# Altium PCB MB1397.PcbDoc (part 7 of 11) (continued)
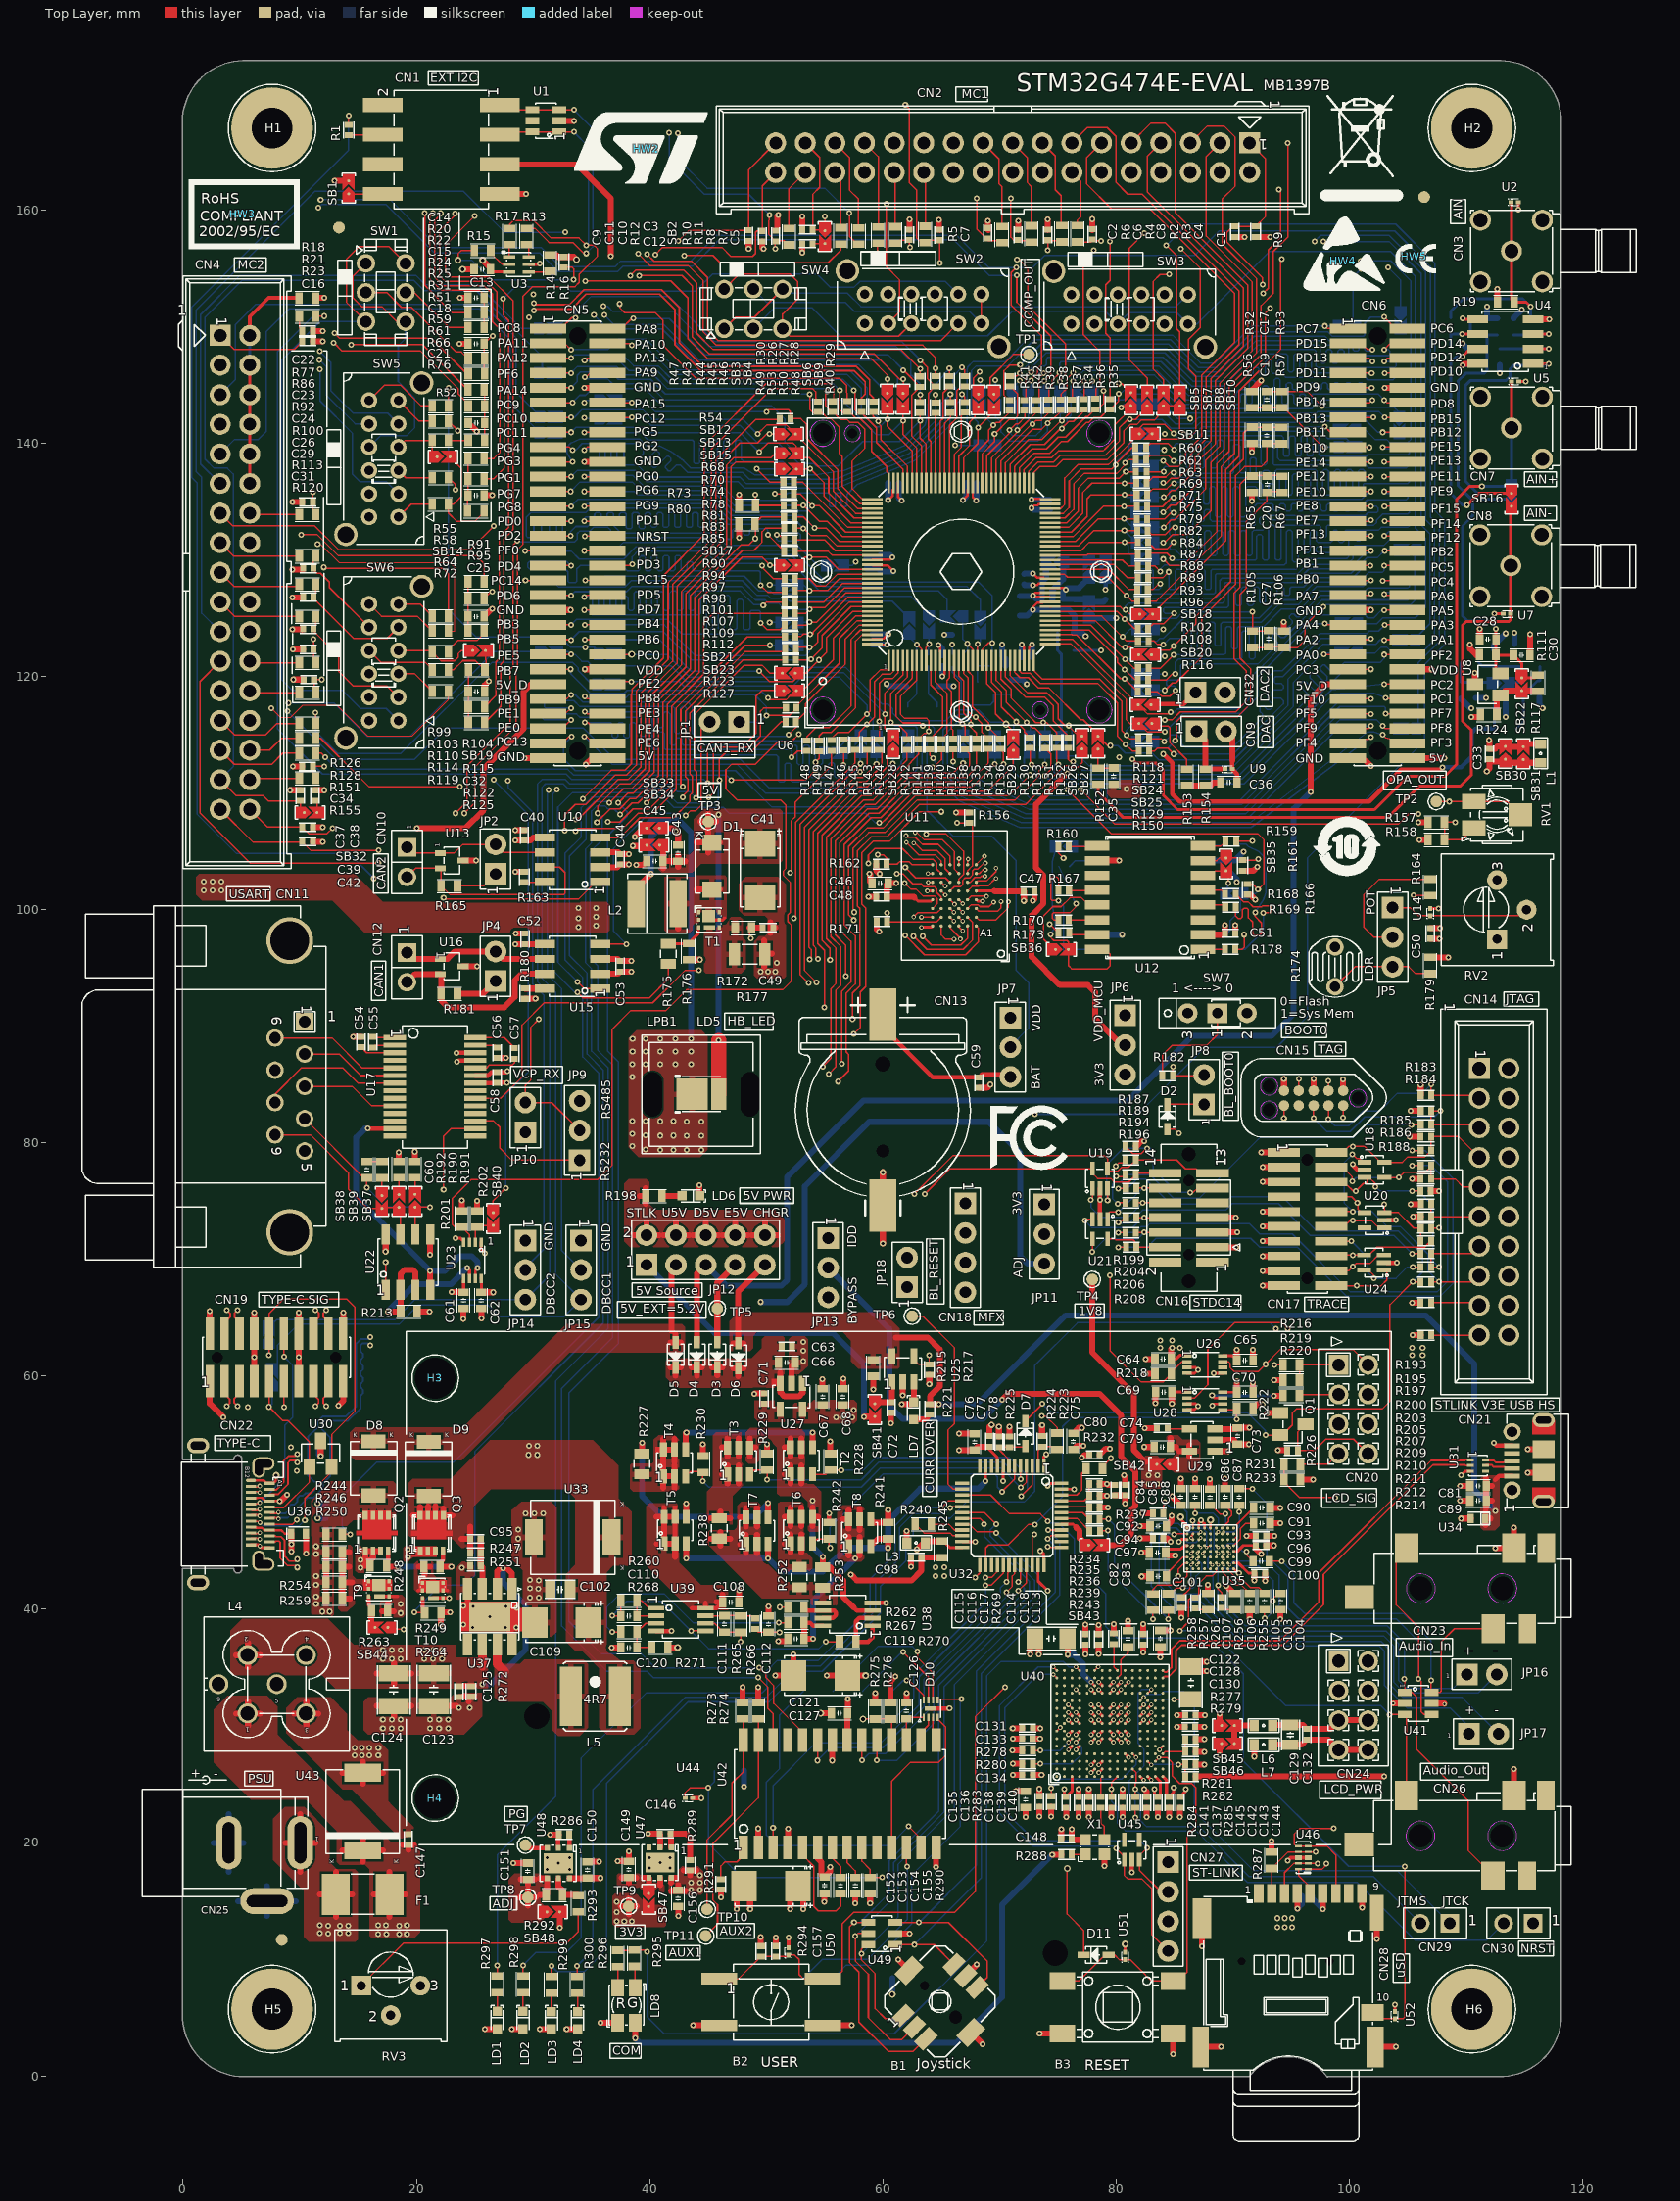
[diagram p0: Top Layer view]
## Nets (pads, with @x,y where several pads share a name; then routed paths per layer and width w, separated by ;. In a path a pad name is that pad's centre, name@x,y a point inside that pad or via, vN(x,y) a via of type N, cw(c..) or ccw(c..) an arc to the next point about the centre after c; other vN are vias at no path point) (continued)
MFX_SWCLK: CN18.2 U32.37 | length 31.3
  Top Layer w0.127: v1(74.14,45.362) 74.211,45.291 U32.37@75.307,45.292
  L4_SIG w0.102: CN18.2@67.028,72.184 68.806,70.406 68.806,65.936 72.489,62.253 72.489,55.928 74.597,53.82 74.597,45.819 v1(74.14,45.362)
MFX_SWDIO: CN18.4 U32.34 | length 26.3
  Top Layer w0.127: U32.34@72.807,43.79 72.807,46.276 72.934,46.403 v1(72.997,46.403)
  L4_SIG w0.102: CN18.4@67.028,67.104 72.108,62.024 72.108,55.7 73.53,54.277 73.53,46.937 v1(72.997,46.403)
MFX_WAKEUP: R223.2 SB6.1 | length 198
  Top Layer w0.127: v1(68.298,146.098) 67.765,145.565 67.765,144.904 68.311,144.358 SB6.1@68.311,144.191 ; v1(73.632,56.563) 73.965,56.563 74.927,55.601 74.927,55.108 R223.2@74.929,55.109
  L4_SIG w0.102: v1(68.298,146.098) 66.518,147.876 56.919,147.876 55.09,149.705 55.09,152.601 53.033,154.658 47.038,154.658 43.019,158.677 32.634,158.677 31.709,157.752 31.709,153.845 30.655,152.791 30.655,151.026 29.538,149.908 23.848,149.908 22.07,148.13 22.07,143.101 21.181,142.212 21.181,134.668 21.816,134.033 21.816,92.179 23.853,90.142 30.655,90.142 31.341,90.828 50.162,90.828 53.947,87.043 55.446,87.043 59.433,83.055 59.433,82.184 65.471,76.147 68.374,76.147 69.238,75.283 69.238,65.961 72.997,62.202 72.997,57.198 v1(73.632,56.563)
NetC12_2: C12.2 SB2.2 | length 1.1
  Top Layer w0.127: C12.2@53.977,157.087 55.016,157.086 SB2.2@55.027,157.098
NetC16_2: C16.2 CN4.1 R21.2 R23.1 | length 10.1
  Top Layer w0.127: CN4.1@3.175,149.225 4.394,148.003 9.512,148.003 C16.2@10.218,148.709 R23.1@10.218,149.603 ; R21.2@9.96,150.876 9.959,149.863 R23.1@10.218,149.603 ; R23.1@10.218,149.606 R23.1@10.218,149.603
NetC18_1: C18.1 R31.1 R51.1 R59.2 | length 4.3
  Top Layer w0.127: R31.1@25.821,144.542 25.845,144.516 R59.2@25.846,140.228
NetC21_1: C21.1 R61.1 R66.1 R76.2 | length 4.5
  Top Layer w0.127: C21.1@24.389,135.509 24.389,134.182 R76.2@24.395,134.176 ; C21.1@24.413,135.509 R66.1@24.413,136.925 R61.1@24.413,138.674
NetC25_1: C25.1 R91.1 R95.1 R104.2 | length 4.2
  Top Layer w0.127: R104.2@24.417,123.873 24.42,123.876 R91.1@24.421,128.079
NetC32_1: C32.1 R115.2 R122.1 R125.1 | length 4.5
  Top Layer w0.127: R125.1@24.447,116.027 R115.2@24.447,120.543
NetC36_1: C36.1 R153.1 R154.1 | length 3
  Top Layer w0.127: R153.1@86.034,110.642 86.035,110.642 R153.1@86.035,110.64 ; R154.1@87.647,110.642 87.648,110.642 R154.1@87.648,110.64
  Top Layer w0.508: R153.1@86.034,110.642 86.035,110.64 R154.1@87.647,110.642 87.648,110.64 88.085,110.64 88.339,110.894 C36.1@88.962,110.894
NetC38_2: C38.2 SB32.2 | length 1.1
  Top Layer w0.127: C38.2@11.294,109.323 11.483,109.131 SB32.2@11.485,108.312
NetC41_1: C41.1 C43.2 C45.2 D1.2 LD5.1 SB34.1 TP3.1 | length 35.3
  Top Layer w0.254: LD5.1@45.916,84.149 LD5.1@45.916,84.161
  Top Layer w0.508: SB34.1@40.85,105.518 40.851,105.517 41.14,105.225 C45.2@41.142,104.151 ; 41.14,103.525 C45.2@41.142,104.151 ; 41.641,104.15 C45.2@41.142,104.151 ; 41.816,104.135 C43.2@42.44,104.135 ; 42.438,103.635 C43.2@42.44,104.135 ; 42.438,104.633 C43.2@42.44,104.135 ; 43.063,104.135 C43.2@42.44,104.135 ; 44.028,105.74 D1.2@45.027,105.74 ; 44.348,107.536 TP3.1@45.028,107.536 ; 45.027,104.861 D1.2@45.027,105.74 ; 45.027,106.619 D1.2@45.027,105.74 ; 45.027,106.858 TP3.1@45.028,107.536 ; 45.027,108.214 TP3.1@45.028,107.536 ; 45.707,107.536 TP3.1@45.028,107.536 ; v1(45.916,88.798) v1@45.926,88.788 ; D1.2@46.027,105.74 D1.2@45.027,105.74
  Top Layer w1.27: LD5.1@45.926,84.161 v1@45.926,88.788
  Bottom Layer w0.508: v1(45.916,88.798) v1(45.916,108.125)
NetC43_1: C43.1 L2.2 SB33.1 | length 11.3
  Top Layer w0.508: L2.2@38.839,100.554 38.839,101.78 v1(40.104,103.045) ; SB33.1@40.858,106.982 42.009,106.982 v1(42.263,106.728) 42.438,106.553 C43.1@42.44,105.535
  Bottom Layer w0.508: v1(40.104,103.045) 40.104,106.195 40.637,106.728 v1(42.263,106.728)
NetC49_2: C49.2 R172.2 SB10.2 | length 171.4
  Top Layer w0.127: R172.2@48.567,98.445 48.567,97.605 v1(48.664,97.508) ; v1(84.3,156.944) 85.189,156.055 85.189,149.781 85.443,149.527 SB10.2@85.443,144.272
  Top Layer w0.508: R172.2@48.567,98.445 C49.2@49.451,98.445
  L4_SIG w0.102: v1(48.664,97.508) 51.28,97.508 53.617,95.171 55.598,95.171 55.979,95.552 57.249,95.552 58.748,94.054 63.116,94.054 66.396,90.775 66.396,84.501 68.45,82.446 v1(73.02,82.446)
  Bottom Layer w0.127: v1(73.02,82.446) 81.862,82.446 87.602,88.186 93.749,88.186 96.416,90.853 96.416,104.442 106.423,114.45 106.423,120.978 108.151,122.705 108.151,133.373 107.338,134.186 107.338,155.395 103.96,158.773 86.129,158.773 v1(84.3,156.944)
NetC54_2: C54.2 U17.3 | length 3.1
  Top Layer w0.127: C54.2@15.24,88.195 15.723,87.711 U17.3@18.14,87.713
NetC55_1: C55.1 U17.1 | length 1.9
  Top Layer w0.127: C55.1@16.256,89.07 16.312,89.012 U17.1@18.14,89.013
NetC55_2: C55.2 U17.2 | length 2
  Top Layer w0.127: C55.2@16.256,88.17 16.449,88.362 U17.2@18.14,88.363
NetC56_2: C56.2 U17.27 | length 2
  Top Layer w0.127: U17.27@25.04,88.363 26.723,88.362 C56.2@26.924,88.163
NetC57_1: C57.1 U17.24 | length 3.9
  Top Layer w0.127: U17.24@25.04,86.413 26.01,86.411 26.261,86.662 28.219,86.662 28.42,86.863 C57.1@28.42,87.229
NetC57_2: C57.2 U17.28 | length 3.7
  Top Layer w0.127: U17.28@25.04,89.013 27.536,89.012 C57.2@28.42,88.128
NetC59_2: C59.2 CN13.1 JP7.3 | length 14.1
  Top Layer w0.381: CN13.1@59.992,91.004 59.992,89.888 64.282,85.598 C59.2@68.227,85.598 68.481,85.852 70.708,85.852 JP7.3@70.924,85.647 JP7.3@70.924,85.725
NetC60_1: C60.1 CN11.4 SB37.1 U22.6 | length 18
  Top Layer w0.127: CN11.4@10.414,82.063 15.486,76.987 C60.1@15.748,76.989 v1(15.748,76.149) ; U22.6@19.905,72.14 19.881,72.166 SB37.1@19.88,74.477 v1(21.176,74.475) ; U22.6@19.906,72.139 U22.6@19.907,72.141
  Bottom Layer w0.127: v1(15.748,76.149) 17.419,74.475 v1(21.176,74.475)
NetC60_2: C60.2 R192.1 | length 1.3
  Top Layer w0.127: C60.2@15.748,78.389 C60.2@15.748,78.389 R192.1@17.044,78.387
NetC63_2: C63.2 C66.1 D3.2 D4.2 D5.2 D6.2 U27.1 U27.3 | length 13.9
  Top Layer w0.508: 41.77,60.736 D5.2@42.219,60.738 ; 42.217,60.028 D5.2@42.219,60.738 ; 42.217,61.445 D5.2@42.219,60.738 ; 42.667,60.736 D5.2@42.219,60.738 ; 43.591,60.744 D4.2@44.041,60.745 ; 44.041,60.035 D4.2@44.041,60.745 ; 44.041,61.453 D4.2@44.041,60.745 ; 44.488,60.744 D4.2@44.041,60.745 ; 45.352,60.754 D3.2@45.799,60.754 ; 45.799,60.046 D3.2@45.799,60.754 ; 45.799,61.46 D3.2@45.799,60.754 ; 46.248,60.754 D3.2@45.799,60.754 ; 47.145,60.668 D6.2@47.594,60.67 ; 47.595,59.962 D6.2@47.594,60.67 ; 47.595,61.377 D6.2@47.594,60.67 ; 48.042,60.668 D6.2@47.594,60.67 ; 51.204,60.287 U27.3@51.204,59.352 51.204,58.604 51.556,58.252 52.802,58.252 53.104,58.554 U27.1@53.104,59.352
NetC71_2: C71.2 U27.4
NetC72_2: C72.2 SB41.1 U25.1 | length 3.2
  Top Layer w0.508: SB41.1@59.306,57.607 59.447,57.747 C72.2@60.706,57.747 60.753,57.794 U25.1@60.753,59.506
NetC74_2: C74.2 U29.4 | length 1.9
  Top Layer w0.127: C74.2@84.404,55.527 84.473,55.458 U29.4@86.264,55.459
NetC76_2: C76.2 C77.2 L3.2 U32.9 | length 15.5
  Top Layer w0.254: C77.2@69.145,53.945 69.144,53.685 69.807,53.023 U32.9@69.807,52.596
  Top Layer w0.508: L3.2@62.017,45.715 v1(62.017,46.716) ; v1(66.52,53.652) C76.2@67.861,53.653 68.153,53.945 C77.2@69.145,53.945
  L4_SIG w0.508: v1(62.017,46.716) 62.017,51.501 64.168,53.652 v1(66.52,53.652)
NetC78_2: C78.2 D7.1 R225.1 U32.7 | length 4.3
  Top Layer w0.127: U32.7@70.807,52.292 70.805,52.837 69.944,53.698 C78.2@69.945,53.903 72.111,53.901 D7.1@72.207,53.997
NetC85_1: C85.1 U35.E6 | length 6.4
  Top Layer w0.127: v1(86.761,48.23) C85.1@86.763,48.926 ; U35.E6@88.577,44.966 88.577,44.966 v4(88.735,44.806)
  Bottom Layer w0.127: v1(86.761,48.23) 88.341,48.23 88.745,47.826 88.745,47.267 88.364,46.886 88.364,45.176 v4(88.735,44.806)
NetC86_2: C86.2 U35.A7 | length 2.5
  Top Layer w0.127: U35.A7@89.077,46.966 89.634,47.523 89.634,47.8 89.888,48.054 89.888,48.374 89.339,48.925 C86.2@89.339,48.926
NetC87_1: C87.1 U35.B7 | length 3.6
  Top Layer w0.127: U35.B7@89.077,46.466 v4(89.235,46.624) ; v1(90.551,48.336) C87.1@90.552,48.926
  Bottom Layer w0.127: v4(89.235,46.624) 90.109,46.624 90.551,47.066 v1(90.551,48.336)
NetC87_2: C87.2 CN23.6 U41.4 | length 44.5
  Top Layer w0.127: C87.2@90.552,50.326 v1(91.676,50.325) ; CN23.6@104.91,45.233 104.013,44.336 104.013,40.361 105.918,38.456 v1(105.918,34.036) 106.147,33.807 106.147,31.217 106.388,30.975 U41.4@107.04,30.975
  Bottom Layer w0.127: v1(91.676,50.325) 92.936,49.065 92.936,44.574 94.714,42.796 94.714,40.095 95.645,39.164 104.022,39.164 105.918,37.269 v1(105.918,34.036)
NetC88_2: C88.2 U35.B6 | length 3.7
  Top Layer w0.127: C88.2@88.04,48.901 88.153,48.9 88.897,48.156 89.355,48.156 v1(89.38,48.181) ; U35.B6@88.577,46.466 88.577,46.464 v4(88.735,46.624)
  Bottom Layer w0.127: v4(88.735,46.624) 89.38,47.269 v1(89.38,48.181)
NetC90_2: C90.2 U35.C9 | length 3.5
  Top Layer w0.127: U35.C9@90.077,45.966 90.362,46.25 90.362,47.084 90.352,47.093 90.352,47.266 C90.2@91.787,48.701
NetC91_2: C91.2 U35.D9 | length 3
  Top Layer w0.127: U35.D9@90.077,45.466 90.65,46.038 90.65,46.911 91.11,47.371 C91.2@91.787,47.373
NetC95_1: C95.1 R247.1 R251.2 U37.3 | length 4.4
  Top Layer w0.508: C95.1@25.514,46.038 R247.1@25.514,44.815 R251.2@25.514,43.728 25.654,43.588 U37.3@25.654,41.745
NetC99_1: C99.1 U35.D7 | length 3.7
  Top Layer w0.127: U35.D7@89.077,45.466 v4(89.235,45.306) ; v1(91.183,44.955) 91.183,44.661 C99.1@91.727,44.117
  Bottom Layer w0.127: v4(89.235,45.306) 89.573,45.641 90.167,45.641 90.853,44.955 v1(91.183,44.955)
NetC99_2: C99.2 CN23.4 U41.6 | length 32.9
  Top Layer w0.127: C99.2@93.127,44.117 C99.2@93.133,44.117 v1(94.206,44.117) ; v1(106.991,33.902) 106.991,33.066 106.799,32.875 U41.6@107.04,32.875 107.757,32.875 107.874,32.992 107.874,37.211 108.994,38.331 CN23.4@112.31,38.333
  Bottom Layer w0.127: v1(94.206,44.117) 95.222,43.101 95.222,40.564 96.162,39.624 104.678,39.624 106.991,37.312 v1(106.991,33.902)
NetC101_2: C101.2 U35.F1 | length 2.6
  Top Layer w0.127: C101.2@84.297,42.822 84.468,42.994 84.468,43.209 85.315,44.055 85.725,44.465 U35.F1@86.077,44.466
NetC103_1: C103.1 U35.G8 | length 10.1
  Top Layer w0.127: U35.G8@89.577,43.966 v4(89.736,43.805) ; C103.1@92.71,39.965 92.71,39.263 v1(92.746,39.228)
  Bottom Layer w0.127: v4(89.736,43.805) 90.048,44.117 92.774,44.117 93.952,42.939 93.952,40.307 92.873,39.228 v1(92.746,39.228)
NetC103_2: C103.2 U35.H8 | length 4
  Top Layer w0.127: U35.H8@89.577,43.466 89.576,43.388 90.498,42.466 90.904,42.466 91.495,41.876 92.2,41.876 C103.2@92.71,41.365
NetC104_2: C104.2 U35.G7 | length 8.1
  Top Layer w0.127: U35.G7@89.077,43.966 v4(89.235,43.805) ; v1(93.444,40.688) 93.444,40.917 93.893,41.365 C104.2@94.107,41.365
  Bottom Layer w0.127: v4(89.235,43.805) 89.235,43.652 89.431,43.457 89.99,43.457 90.244,43.711 92.199,43.711 93.444,42.466 v1(93.444,40.688)
NetC105_2: C105.2 U35.H7 | length 3.4
  Top Layer w0.127: U35.H7@89.077,43.466 89.078,43.464 89.078,43.226 90.218,42.085 90.719,42.085 C105.2@91.448,41.356
NetC106_1: C106.1 CN26.4 U35.G6 U41.1 | length 45.3
  Top Layer w0.127: U35.G6@88.577,43.966 88.577,43.965 v4(88.735,43.805) ; v1(88.735,42.06) 88.735,41.73 89.047,41.417 C106.1@89.047,41.015 C106.1@89.047,41.006 ; v1(104.699,34.011) 104.74,33.969 U41.1@104.74,32.875 105.368,32.875 105.756,32.487 105.756,28 110.16,23.597 110.16,19.329 112.291,17.199 CN26.4@112.291,17.124
  Bottom Layer w0.127: v4(88.735,43.805) v1(88.735,42.06) 88.735,40.952 90.895,38.792 ; 90.885,38.782 91.085,38.583 103.223,38.583 104.699,37.107 v1(104.699,34.011)
NetC106_2: C106.2 R255.2 | length 1.2
  Top Layer w0.127: C106.2@89.047,40.104 89.197,39.954 R255.2@90.152,39.956
NetC107_1: C107.1 CN26.6 U35.H6 U41.3 | length 36.4
  Top Layer w0.127: v1(85.443,38.148) 86.205,38.91 86.205,40.815 86.375,40.985 86.761,40.985 86.763,40.987 87.094,41.316 87.094,42.212 87.729,42.847 88.242,42.847 88.577,43.182 U35.H6@88.577,43.466 ; v1(103.454,30.963) 103.467,30.975 U41.3@104.74,30.975 104.889,30.826 CN26.6@104.891,24.024
  Bottom Layer w0.127: v1(85.443,38.148) 88.11,38.148 94.508,31.75 102.667,31.75 v1(103.454,30.963)
NetC107_2: C107.2 R256.2 | length 1.1
  Top Layer w0.127: C107.2@86.761,40.084 86.891,39.954 R256.2@87.84,39.956
NetC110_1: C110.1 R260.1 R270.2 U39.5 | length 25.3
  Top Layer w0.127: v1(36.774,39.424) C110.1@37.519,39.425 R260.1@37.519,40.741 ; v1(43.533,38.148) 44.77,38.148 U39.5@44.78,38.14 ; v1(55.09,37.208) 56.276,37.208 R270.2@56.277,37.208
  Bottom Layer w0.127: v1(36.774,39.424) 38.033,40.683 40.998,40.683 v1(43.533,38.148) 45.057,36.624 54.506,36.624 v1(55.09,37.208)
NetC110_2: C110.2 R260.2 U39.1 U39.2 | length 4.8
  Top Layer w0.127: U39.2@40.53,39.441 40.516,39.425 C110.2@38.919,39.425 R260.2@38.919,40.741 39.29,40.741 39.941,40.089 U39.1@40.531,40.089
NetC111_1: C111.1 R262.2 R265.1 U39.6 | length 9.4
  Top Layer w0.127: U39.6@44.78,38.79 45.56,38.788 46.307,38.042 47.77,38.042 R265.1@47.802,38.012 v1(47.8,37.208) ; v1(51.153,40.178) R262.2@51.839,40.179
  L4_SIG w0.102: v1(47.8,37.208) 48.186,37.208 v1(51.153,40.178)
NetC111_2: C111.2 R265.2 R266.1 U39.7 | length 4.4
  Top Layer w0.127: U39.7@44.78,39.441 46.401,39.439 46.403,39.444 47.77,39.444 R265.2@47.802,39.412 48.854,39.411 R266.1@49.054,39.214
NetC114_2: C114.2 U40.J14 | length 3
  Top Layer w0.127: U40.J14@80.105,34.103 80.409,34.404 80.409,35.654 81.011,36.256 C114.2@81.011,36.772
NetC115_2: C115.2 U40.F13 | length 5.7
  Top Layer w0.254: v2(77.851,33.755) 78.034,33.572 ; v2(77.851,33.755) 78.034,33.572 ; U40.F13@78.155,33.453 78.034,33.572 ; U40.F13@78.155,33.453 78.034,33.572
  Top Layer w0.508: v1(75.832,36.106) C115.2@75.833,37.472
  Bottom Layer w0.508: v1(75.832,36.106) 76.385,36.106 77.163,35.329 77.163,34.442 v2@77.851,33.757
NetC120_2: C120.2 R268.1 R271.2 U39.3 | length 4.5
  Top Layer w0.127: R271.2@40.169,36.722 R271.2@40.169,36.722 C120.2@38.919,36.723 R268.1@38.919,38.051 39.658,38.79 U39.3@40.53,38.79
NetC122_2: C122.2 U40.M10 | length 4.7
  Top Layer w0.127: U40.M10@82.055,31.504 v2(82.357,31.806) ; v1(84.968,32.273) C122.2@86.402,32.275
  Bottom Layer w0.127: v2@82.359,31.806 82.827,32.273 v1(84.968,32.273)
NetC126_1: C126.1 D10.1 U42.17 | length 3.4
  Top Layer w0.127: U42.17@62.013,28.765 62.014,28.763 C126.1@62.014,30.587 ; C126.1@62.013,30.588 C126.1@62.014,30.587 ; D10.1@63.494,30.733 62.159,30.731 C126.1@62.014,30.587
NetC129_1: C129.1 C132.2 CN24.5 CN24.6 L6.2 | length 8.6
  Top Layer w0.508: L6.2@93.434,30.023 93.495,30.084 95.992,30.084 C132.2@96.342,29.736 ; C132.2@96.342,29.736 98.316,29.736 CN24.5@99.06,30.48 CN24.6@101.6,30.48
NetC129_2: C129.2 C132.1 CN24.7 CN24.8 L7.2 | length 8.7
  Top Layer w0.508: L7.2@93.434,28.385 95.89,28.385 C132.1@96.342,28.836 ; C132.1@96.342,28.836 98.164,28.836 CN24.7@99.06,27.94 CN24.8@101.6,27.94
NetC141_2: C141.2 CN30.2 U40.J1 | length 42.9
  Top Layer w0.127: C141.2@79.591,23.899 v1(79.591,24.559) 79.591,25.138 U40.J1@80.105,25.653
  Bottom Layer w0.127: v1(79.591,24.559) 79.591,23.556 80.094,23.05 80.094,21.704 80.795,21.003 86.84,21.003 91.285,16.558 100.683,16.558 105.636,11.605 111.755,11.605 CN30.2@113.215,13.066
NetC146_1: C146.1 R289.1 U47.1 | length 5
  Top Layer w0.508: U47.1@41.842,19.577 41.841,20.673 C146.1@41.773,20.742 43.16,20.742 43.472,20.429 R289.1@43.472,18.502
NetC149_2: C149.2 SB47.1 U47.4 U47.5 | length 3.2
  Top Layer w0.508: 37.589,16.993 C149.2@38.215,16.994 ; 38.214,16.495 C149.2@38.215,16.994 ; 38.837,16.993 C149.2@38.215,16.994 ; 39.538,16.975 U47.4@39.942,16.977 39.941,16.548 ; 40.891,16.33 U47.5@40.892,16.977
NetC151_2: C151.2 R292.2 SB48.1 TP8.1 U48.4 | length 7
  Top Layer w0.508: 28.872,15.283 TP8.1@29.55,15.284 ; 28.926,16.84 C151.2@29.55,16.84 ; 29.55,14.605 TP8.1@29.55,15.284 ; 29.55,15.961 TP8.1@29.55,15.284 ; 29.55,16.34 C151.2@29.55,16.84 ; 30.173,16.84 C151.2@29.55,16.84 ; 30.229,15.283 TP8.1@29.55,15.284 ; 30.579,16.939 30.597,16.921 U48.4@31.115,16.921 ; 30.617,15.499 R292.2@31.116,15.5 31.216,15.6 U48.4@31.216,16.924
NetC154_1: C154.1 U42.5 | length 9.1
  Top Layer w0.127: U42.5@53.123,19.585 53.124,19.583 53.124,18.905 54.074,17.955 54.074,14.526 54.455,14.145 55.979,14.145 56.36,14.526 C154.1@56.36,15.604
NetC154_2: C154.2 U42.7 | length 2.9
  Top Layer w0.127: U42.7@55.663,19.585 55.664,19.583 55.664,18.651 56.36,17.955 C154.2@56.36,17.005
NetC155_1: C155.1 U42.8 | length 2.9
  Top Layer w0.127: U42.8@56.933,19.585 56.934,19.583 56.934,18.27 57.63,17.574 C155.1@57.63,17.005
NetC169_2: C169.2 L8.1 SB84.2 SB85.2 SB86.1 | length 7.2
  Bottom Layer w0.508: C169.2@74.521,126.609 74.521,127.389 75.454,128.324 75.454,129.558 75.482,129.586 75.743,129.842 78.93,129.842 79.096,129.68 SB84.2@79.093,129.68
NetC171_2: C171.2 R310.2 SB116.2 | length 9.2
  Bottom Layer w0.254: C171.2@74.966,123.746 74.966,122.225 74.963,122.222 75.018,122.167 75.283,121.905 SB116.2@75.283,114.696
NetC177_2: C177.2 R313.1 X2.3 | length 2.4
  Bottom Layer w0.127: X2.3@68.134,119.499 68.133,119.499 68.102,119.53 68.102,120.896 69.073,120.896 C177.2@69.103,120.866
NetC178_2: C178.2 R317.1 X2.1 | length 8.6
  Bottom Layer w0.127: R317.1@65.953,120.866 R317.1@65.953,120.866 ; R317.1@65.954,120.866 65.954,120.338 66.703,119.588 66.703,117.849 67.028,117.523 69.187,117.523 69.482,117.818 69.482,118.448 70.858,118.448 70.878,118.428 C178.2@71.002,118.299
NetC181_1: C181.1 R311.2 R316.1 SB102.2 U53.4 | length 6.5
  Bottom Layer w0.254: R316.1@111.036,121.206 111.354,120.889 112.367,120.889 112.413,120.841 U53.4@114.14,120.841 ; SB102.2@113.604,119.428 113.67,119.497 C181.1@114.907,119.497 114.907,120.444 114.511,120.841 U53.4@114.14,120.841 ; U53.4@114.141,120.843 U53.4@114.14,120.841
NetC181_2: C181.2 Q4.1 R318.1 U53.3 | length 6.4
  Bottom Layer w0.254: Q4.1@114.333,115.534 114.336,115.534 114.907,116.106 C181.2@114.907,118.597 115.09,118.595 116.114,119.619 116.304,119.619 116.336,119.653 116.34,119.657 U53.3@116.341,120.843
NetC182_2: C182.2 R314.1 X3.1 | length 3.8
  Bottom Layer w0.127: R314.1@63.906,120.896 63.906,120.625 63.901,120.62 63.901,118.491 64.651,117.742 X3.1@64.651,117.376
NetC183_2: C183.2 R315.1 X3.2 | length 3.8
  Bottom Layer w0.127: X3.2@62.149,117.376 62.149,117.724 62.903,118.478 R315.1@62.903,120.896
NetCN1_4: CN1.4 R1.1 | length 3
  Top Layer w0.127: R1.1@14.192,166.377 14.244,166.428 CN1.4@17.135,166.429
NetCN1_8: CN1.8 SB1.1 | length 3
  Top Layer w0.127: SB1.1@14.192,161.372 14.214,161.348 CN1.8@17.135,161.349
NetCN2_14: CN2.14 R3.1 | length 5
  Top Layer w0.127: CN2.14@76.2,163.195 76.97,162.423 76.97,159.408 76.683,159.118 76.683,158.608 R3.1@76.68,158.608
NetCN2_15: CN2.15 R2.2 | length 7.8
  Top Layer w0.127: CN2.15@73.66,165.735 74.775,164.617 74.775,161.719 75.283,161.211 R2.2@75.283,158.608
NetCN2_17: CN2.17 R4.2 | length 7.8
  Top Layer w0.127: CN2.17@71.12,165.735 72.362,164.49 72.362,162.354 72.725,161.991 R4.2@72.726,158.624
NetCN2_19: CN2.19 R6.2 | length 7.8
  Top Layer w0.127: CN2.19@68.58,165.735 69.949,164.363 69.949,162.227 70.203,161.973 R6.2@70.203,158.608
NetCN2_24: CN2.24 R5.1 | length 4.7
  Top Layer w0.127: CN2.24@63.5,163.195 63.635,163.06 R5.1@63.635,158.587
NetCN2_26: CN2.26 R7.1 | length 4.9
  Top Layer w0.127: CN2.26@60.96,163.195 61.059,163.093 R7.1@61.059,158.356
NetCN2_27: CN2.27 R8.2 | length 7.9
  Top Layer w0.127: CN2.27@58.42,165.735 59.604,164.551 59.604,158.422 R8.2@59.535,158.354
NetCN2_29: CN2.29 R11.2 | length 8.2
  Top Layer w0.127: CN2.29@55.88,165.735 57.122,164.49 57.122,161.694 57.884,160.932 R11.2@57.884,158.354
NetCN2_30: CN2.30 R10.1 | length 5
  Top Layer w0.127: CN2.30@55.88,163.195 56.36,162.715 R10.1@56.36,158.354
NetCN2_32: CN2.32 R12.1 | length 5.4
  Top Layer w0.127: R12.1@51.915,158.356 51.915,161.768 CN2.32@53.34,163.195
NetCN3_1: CN3.1 R19.2 R302.1 R303.2 U2.1 | length 19.4
  Top Layer w0.254: U2.1@113.861,160.655 113.883,160.63 113.883,152.265 R19.2@114.084,152.068 ; R19.2@114.084,152.067 115.161,152.067 v1(115.542,151.684)
  Bottom Layer w0.254: R303.2@108.684,150.736 108.684,151.305 109.753,152.375 114.851,152.375 v1(115.542,151.684) R302.1@115.542,150.738 R302.1@115.542,150.734
NetCN4_2: CN4.2 CN4.4 CN4.6 CN4.8 CN4.10 CN4.12 R18.1 | length 19.2
  Top Layer w0.254: CN4.12@5.715,136.525 CN4.10@5.715,139.065 CN4.8@5.715,141.605 CN4.6@5.715,144.145 CN4.4@5.715,146.685
  Top Layer w0.305: CN4.2@5.715,149.225 5.715,150.825 7.338,152.448 R18.1@9.939,152.448
  Bottom Layer w0.254: CN4.4@5.715,146.685 CN4.2@5.715,149.225
NetCN4_14: CN4.14 R77.1 | length 4.3
  Top Layer w0.127: CN4.14@5.715,133.985 5.834,133.866 R77.1@9.96,133.866
NetCN4_15: CN4.15 R86.2 | length 7.3
  Top Layer w0.127: CN4.15@3.175,131.445 4.318,130.302 R86.2@9.96,130.302
NetCN4_17: CN4.17 R92.2 | length 7.4
  Top Layer w0.127: CN4.17@3.175,128.905 4.394,127.683 9.754,127.683 R92.2@9.96,127.889
NetCN4_19: CN4.19 R100.2 | length 7.3
  Top Layer w0.127: CN4.19@3.175,126.365 4.394,125.143 9.919,125.143 R100.2@9.96,125.103
NetCN4_24: CN4.24 R113.1 | length 4.3
  Top Layer w0.127: CN4.24@5.715,121.285 5.842,121.158 R113.1@9.96,121.158
NetCN4_26: CN4.26 R120.1 | length 4.3
  Top Layer w0.127: CN4.26@5.715,118.745 5.857,118.603 R120.1@9.96,118.603
NetCN4_27: CN4.27 R126.2 | length 7.7
  Top Layer w0.127: CN4.27@3.175,116.205 4.394,114.983 7.084,114.983 8.052,115.951 R126.2@9.96,115.951
NetCN4_29: CN4.29 R151.2 | length 7.7
  Top Layer w0.127: CN4.29@3.175,113.665 4.394,112.443 7.592,112.443 8.557,113.408 R151.2@9.96,113.41
NetCN4_30: CN4.30 R128.1 | length 4.7
  Top Layer w0.127: CN4.30@5.715,113.665 7.417,113.665 8.433,114.681 R128.1@9.96,114.681
NetCN4_32: CN4.32 R155.1 | length 4.3
  Top Layer w0.127: CN4.32@5.715,111.125 5.842,111.252 R155.1@9.96,111.252
NetCN7_1: CN7.1 R310.1 SB75.2 U5.1 | length 82.4
  Top Layer w0.254: v1(81.379,112.888) 81.722,112.545 83.436,112.545 84.046,111.935 84.046,109.776 85.253,108.57 102.144,108.57 105.001,111.427 108.176,111.427 109.192,112.443 109.192,135.176 110.299,136.284 v1(111.351,136.284) ; U5.1@113.883,145.288 113.881,141.285 CN7.1@113.884,141.285
  L4_SIG w0.254: v1(78.712,122.222) 78.712,120.571 81.633,117.65 81.633,113.713 81.379,113.459 v1(81.379,112.888)
  Bottom Layer w0.254: R310.1@76.363,122.222 v1(78.712,122.222) ; v1(111.351,136.284) 113.891,136.284 113.891,136.665 113.883,136.672 CN7.1@113.884,141.285
NetCN8_1: CN8.1 R152.1 SB16.2 U7.1 | length 62.3
  Top Layer w0.254: R152.1@78.461,110.73 78.461,110.028 80.605,107.883 103.286,107.883 105.969,110.566 109.474,110.566 110.462,111.554 110.462,115.364 109.7,116.126 109.7,124.381 110.03,124.711 113.688,124.711 113.815,124.838 113.815,129.459 CN8.1@113.831,129.474 113.83,134.516 SB16.2@113.891,134.577
NetCN9_1: CN9.1 R154.2 U9.1 | length 5
  Top Layer w0.406: R154.2@87.648,112.042 89.052,112.042
  Top Layer w0.508: CN9.1@86.876,115.278 87.648,114.508 87.648,112.042 R154.2@87.647,112.042
NetCN11_2: CN11.2 U17.6 | length 8.5
  Top Layer w0.127: CN11.2@10.414,87.603 13.383,87.602 15.222,85.763 U17.6@18.14,85.763
NetCN11_3: CN11.3 U17.10 | length 8.4
  Top Layer w0.127: CN11.3@10.414,84.833 10.414,84.833 14.501,84.833 16.172,83.162 U17.10@18.14,83.163
NetCN11_6: CN11.6 U17.5 | length 11.3
  Top Layer w0.127: CN11.6@7.874,88.988 12.761,88.986 15.337,86.411 U17.5@18.14,86.413
NetCN11_8: CN11.8 U17.7 | length 12.4
  Top Layer w0.127: CN11.8@7.874,83.448 CN11.8@7.874,83.448 7.874,84.15 10.132,86.408 13.688,86.408 14.983,85.113 U17.7@18.14,85.113
NetCN11_9: CN11.9 SB38.2 SB39.1 U22.7 | length 16.5
  Top Layer w0.127: CN11.9@7.874,80.678 10.909,80.678 14.196,77.391 14.196,75.994 15.829,74.361 SB38.2@17.044,74.362 17.137,74.455 SB39.1@18.501,74.457 18.636,74.32 U22.7@18.637,72.141
NetCN14_11: CN14.11 R200.1 R203.2 | length 5.2
  Top Layer w0.127: R200.1@106.975,74.724 106.975,73.688 R203.2@107.003,73.66 CN14.11@111.125,73.66
NetCN14_17: CN14.17 R212.2 | length 4.2
  Top Layer w0.127: R212.2@106.991,66.294 110.871,66.294 CN14.17@111.125,66.04
NetCN14_19: CN14.19 R214.2 | length 4.1
  Top Layer w0.127: R214.2@107.003,63.5 CN14.19@111.125,63.5
NetCN20_1: CN20.1 R216.2 R219.1 | length 4.7
  Top Layer w0.127: R219.1@95.711,59.639 R216.2@95.71,60.957 ; R216.2@95.711,60.96 R216.2@95.71,60.957 ; CN20.1@99.06,60.96 99.06,60.957 R216.2@95.71,60.957
NetCN20_3: CN20.3 R220.2 | length 3.4
  Top Layer w0.127: R220.2@95.711,58.318 95.71,58.316 95.711,58.318 95.811,58.42 CN20.3@99.06,58.42
NetCN20_7: CN20.7 R231.2 | length 3.6
  Top Layer w0.127: R231.2@95.798,52.426 R231.2@95.798,52.426 98.146,52.426 CN20.7@99.06,53.34
NetCN20_8: CN20.8 Q1.3 R226.2 | length 9.5
  Top Layer w0.127: Q1.3@96.223,55.88 95.573,55.23 R226.2@95.573,53.619 97.003,53.619 97.965,54.582 100.355,54.582 CN20.8@101.6,53.34
NetCN31_C1: CN31.C1 D10.8 | length 4
  Top Layer w0.127: v1(62.014,33.884) 62.233,33.884 63.492,32.624 D10.8@63.494,32.233
  Bottom Layer w0.127: CN31.C1@60.801,32.965 61.719,33.884 v1(62.014,33.884)
NetCN31_C2: CN31.C2 D10.7 | length 9.9
  Top Layer w0.127: v1(61.742,36.322) 63.894,34.171 D10.7@63.894,32.233
  Bottom Layer w0.127: CN31.C2@58.261,32.965 61.618,36.322 v1(61.742,36.322)
NetCN31_C3: CN31.C3 D10.6 | length 13.7
  Top Layer w0.127: v1(62.967,36.373) 62.967,35.865 62.964,35.862 64.292,34.534 D10.6@64.294,32.233
  Bottom Layer w0.127: CN31.C3@55.721,32.965 59.558,36.802 62.537,36.802 v1(62.967,36.373)
NetCN31_C4: CN31.C4 U42.13 | length 29.2
  Top Layer w0.127: v1(62.202,21.384) 63.284,20.302 63.284,19.583 U42.13@63.283,19.585
  Bottom Layer w0.127: CN31.C4@53.181,32.965 51.149,30.933 51.149,26.332 50.01,25.193 50.01,20.622 50.899,19.733 60.551,19.733 v1(62.202,21.384)
NetCN31_C7: CN31.C7 D10.5 | length 31.8
  Top Layer w0.127: D10.5@64.694,32.233 64.757,32.296 v1(66.726,32.296)
  Bottom Layer w0.127: CN31.C7@55.721,8.365 56.855,9.5 58.953,9.5 62.456,13.002 62.456,17.193 66.639,21.377 66.639,32.21 v1(66.726,32.296)
NetCN31_C8: CN31.C8 U42.12 | length 17.2
  Top Layer w0.127: U42.12@62.013,19.585 62.014,19.583 62.014,18.016 v1(62.075,17.955)
  Bottom Layer w0.127: CN31.C8@53.181,8.365 54.784,9.968 58.66,9.968 62.075,13.383 v1(62.075,17.955)
NetCN31_S2: CN31.S2 R290.1 U42.9 U44.1 | length 29.1
  Top Layer w0.127: U44.1@43.043,23.8 43.043,24.272 43.457,24.686 v1(45.025,24.686) ; U42.9@58.203,19.585 58.204,19.583 58.204,18.397 58.9,17.701 58.9,17.005 v1(59.916,17.005)
  Bottom Layer w0.127: CN31.S2@45.561,26.165 45.561,25.222 v1(45.025,24.686) 45.025,19.904 47.924,17.005 v1(59.916,17.005)
NetCN32_2: CN32.2 SW2.6 SW2.9 SW4.5 | length 72.5
  Top Layer w0.127: SW2.6@68.446,150.262 SW2.9@68.446,152.762
  L4_SIG w0.102: SW2.9@68.446,152.762 70.018,152.761 75.41,147.368 79.982,147.368 80.871,146.479 80.871,143.304 82.014,142.161 82.014,127.302 82.776,126.54 82.776,120.825 83.986,119.615 85.249,119.615 85.585,119.951 87.994,119.951 CN32.2@89.332,118.613
  Bottom Layer w0.127: SW4.5@48.889,153.192 50.013,152.067 56.766,152.067 57.528,151.305 67.401,151.305 SW2.6@68.446,150.262
NetD1_1: D1.1 L2.1 T1.1 T1.2 T1.5 T1.6 T1.8 | length 5.8
  Top Layer w0.254: T1.8@45.062,99.396 45.362,99.096 46.234,99.096 46.438,99.3
  Top Layer w0.508: 42.438,98.374 L2.1@42.438,100.554 ; 44.028,101.709 D1.1@46.027,101.709
NetD2_1: D2.1 U17.20 | length 80.1
  Top Layer w0.127: U17.20@25.04,83.813 27.221,83.812 29.055,85.646 29.055,90.091 30.96,91.996 40.256,91.996 43.05,94.79 v1(44.219,94.79) ; D2.1@84.401,81.149 85.039,81.148 v1(85.367,80.82)
  L4_SIG w0.102: v1(44.219,94.79) 45.209,94.79 46.683,96.263 52.093,96.263 53.49,94.866 55.725,94.866 56.106,95.247 57.046,95.247 58.544,93.749 62.989,93.749 65.961,90.777 65.961,84.427 68.374,82.014 76.911,82.014 77.541,82.644 83.543,82.644 v1(85.367,80.82)
NetD2_2: D2.2 JP8.1 | length 3.1
  Top Layer w0.127: D2.2@84.401,83.289 87.518,83.289 JP8.1@87.538,83.27